# Altium PCB FluidGuard(RX).PcbDoc (part 2 of 3) (continued)
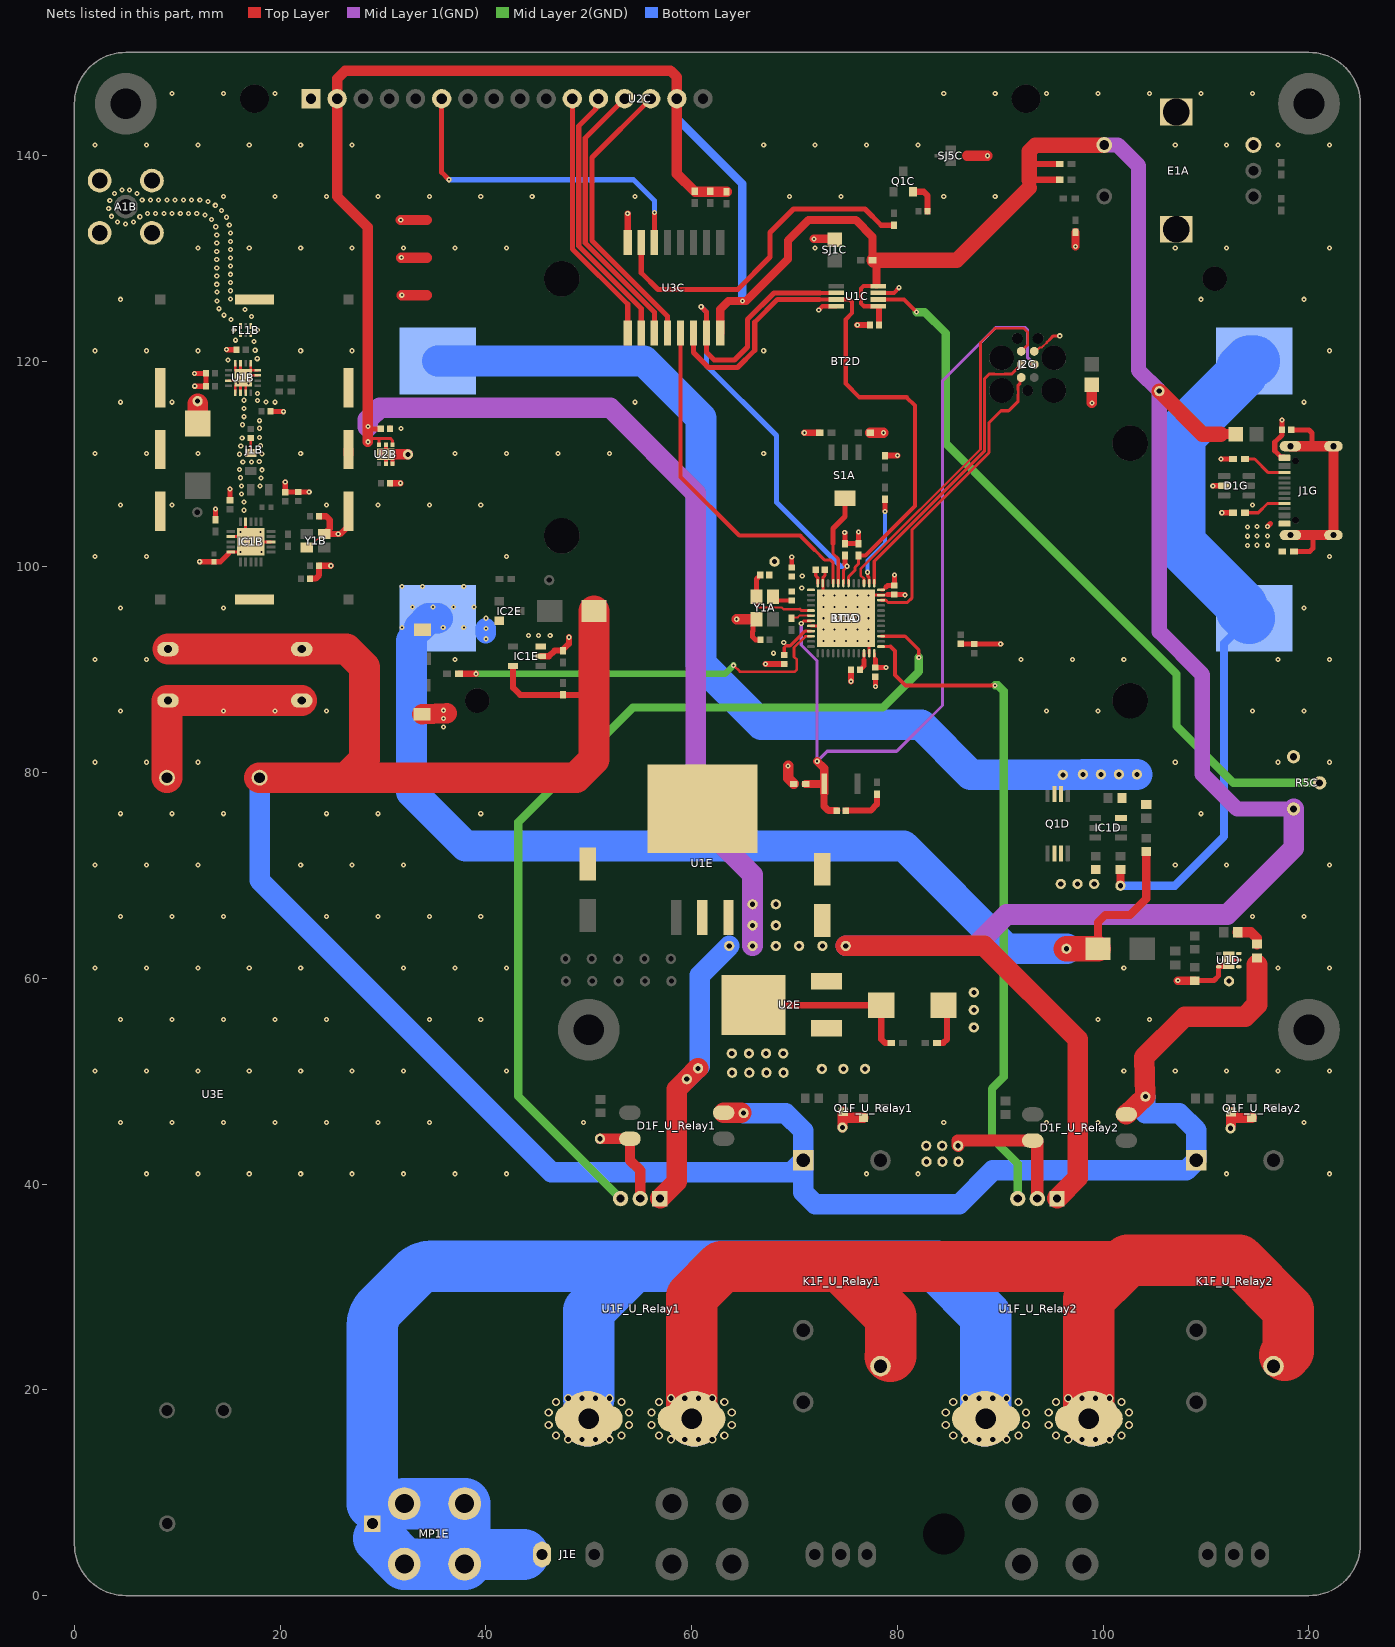
[diagram p4: the nets of this part, all layers, seen from the top]
## Part data (continued)
R4D: library part RMCF0603FG160K, "RES 160K OHM 1% 1/10W 0603", Device Package="0603 (1608 Metric)", Manufacturer="Stackpole Electronics Inc", Operating Temperature="-55°C ~ 155°C", Power (Watts)="0.1W, 1/10W", Ratings=AEC-Q200, Supplier Device Package=0603, Supplier Part Number 1=738-RMCF0603FG160KCT-ND, Temperature Coefficient=±100ppm/°C, Tolerance=±1%, ComponentLink1Description=Datasheet, ComponentLink1URL=https://www.seielect.com/catalog/sei-rmcf_rmcp.pdf, ComponentLink2Description="DigiKey Link", ComponentLink2URL=https://www.digikey.com/en/products/detail/stackpole-electronics-inc/RMCF0603FG160K/1713653, Composition="Thick Film", Features="Automotive AEC-Q200", Height - Seated (Max)="0.022\" (0.55mm)", id=2352, LastUpdated=2023-01-02T20:30:07.700, Lifecycle Status=Active, Minimum Order=1, Number Of Terminations=2, Package / Case="0603 (1608 Metric)", Packaging=CutTape, Part Number=RMCF0603FG160K, Part Status=Active, PartId=9704, Price=0.01, Resistance="160 kOhms", Series=RMCF, Size / Dimension="0.061\" L x 0.031\" W (1.55mm x 0.80mm)", Supplier 1=DigiKey
R4E: library part CMP-26528-000004-1, "RES 10 OHM 5% 4W AXIAL", Case/Package=Axial, Max Operating Temperature=350°C, Max Power Dissipation=4W, Min Operating Temperature=-55°C, Package Quantity=1, Resistance=10R, Resistor Type=Wirewound, Temperature Coefficient=20ppm/°C, Tolerance=5%, Diameter=5.5mm, Length=12.7mm, Mount="Through Hole", Number Of Terminations=2, Packaging="Cut Tape", Power Rating=4W, RoHS Compliant=Yes, Series=SP
R4F_U_Relay1 R4F_U_Relay2: library part CPF0603B10KE, "RES SMD 10K OHM 0.1% 1/16W 0603", Device Package="0603 (1608 Metric)", Manufacturer="TE Connectivity Passive Product", Operating Temperature="-55°C ~ 155°C", Power (Watts)="0.063W, 1/16W", Supplier Device Package=0603, Supplier Part Number 1=A119886CT-ND, Temperature Coefficient=±25ppm/°C, Tolerance=±0.1%, ComponentLink1Description=Datasheet, ComponentLink1URL=https://www.te.com/commerce/DocumentDelivery/DDEController?Action=srchrtrv&DocNm=1773200&DocType=DS&DocLang=English, ComponentLink2Description="DigiKey Link", ComponentLink2URL=https://www.digikey.com/en/products/detail/te-connectivity-passive-product/CPF0603B10KE/2389826, Composition="Thin Film", Height - Seated (Max)="0.022\" (0.55mm)", id=14, LastUpdated=2023-01-02T20:30:26.913, Lifecycle Status=Active, Minimum Order=1, Number Of Terminations=2, Package / Case="0603 (1608 Metric)", Packaging=TapeAndReel, Part Number=CPF0603B10KE, Part Status=Active, PartId=4872, Price=0.09, Resistance="10 kOhms", Series="CPF, Neohm", Size / Dimension="0.061\" L x 0.031\" W (1.55mm x 0.80mm)", Supplier 1=DigiKey
R5C: library part 3299P-1-103LF, "TRIMMER 10K OHM 0.5W PC PIN SIDE", Manufacturer="Bourns Inc.", Power (Watts)="0.5W, 1/2W", Resistive Material=Cermet, Supplier Part Number 1=3299P-103LF-ND, Temperature Coefficient=±100ppm/°C, Tolerance=±10%, Adjustment Type="Side Adjustment", ComponentLink1Description=Datasheet, ComponentLink1URL=https://www.bourns.com/docs/Product-Datasheets/3299.pdf, ComponentLink2Description="DigiKey Link", ComponentLink2URL=https://www.digikey.com/en/products/detail/bourns-inc/3299P-1-103LF/1088121, id=276, LastUpdated=2023-01-02T21:13:50.730, Lifecycle Status=Active, Minimum Order=1, Mounting Type="Through Hole", Number Of Turns=25, Packaging=Tube, Part Number=3299P-1-103LF, Part Status=Active, PartId=276, Price=1.61, Resistance="10 kOhms", Series="Trimpot® 3299 - Sealed", Size / Dimension="Rectangular - 0.240\" x 0.375\" Face (6.10mm x 9.53mm)", Supplier 1=DigiKey, Termination Style="PC Pins"
R5D: library part RT0603BRD072KL, "RES SMD 2K OHM 0.1% 1/10W 0603", Device Package="0603 (1608 Metric)", Manufacturer=Yageo, Operating Temperature="-55°C ~ 155°C", Power (Watts)="0.1W, 1/10W", Supplier Device Package=0603, Supplier Part Number 1=YAG1626CT-ND, Temperature Coefficient=±25ppm/°C, Tolerance=±0.1%, ComponentLink1Description=Datasheet, ComponentLink1URL=https://www.yageo.com/upload/media/product/productsearch/datasheet/rchip/PYu-RT_1-to-0.01_RoHS_L_11.pdf, ComponentLink2Description="DigiKey Link", ComponentLink2URL=https://www.digikey.com/en/products/detail/yageo/RT0603BRD072KL/1072444, Composition="Thin Film", Height - Seated (Max)="0.022\" (0.55mm)", id=366, LastUpdated=2023-01-02T20:30:23.983, Lifecycle Status=Active, Minimum Order=1, Number Of Terminations=2, Package / Case="0603 (1608 Metric)", Packaging=TapeAndReel, Part Number=RT0603BRD072KL, Part Status=Active, PartId=5635, Price=0.03, Resistance="2 kOhms", Series=RT, Size / Dimension="0.063\" L x 0.031\" W (1.60mm x 0.80mm)", Supplier 1=DigiKey
R6A: library part AC0402JR-070RL, "RES SMD 0 OHM JUMPER 1/16W 0402", Device Package="0402 (1005 Metric)", Manufacturer=Yageo, Operating Temperature="-55°C ~ 155°C", Power (Watts)="0.063W, 1/16W", Ratings=AEC-Q200, Supplier Device Package=0402, Supplier Part Number 1=311-0.0LBCT-ND, Tolerance=Jumper, ComponentLink1Description=Datasheet, ComponentLink1URL=https://www.yageo.com/upload/media/product/productsearch/datasheet/rchip/PYu-AC_51_RoHS_L_7.pdf, ComponentLink2Description="DigiKey Link", ComponentLink2URL=https://www.digikey.com/en/products/detail/yageo/AC0402JR-070RL/2827807, Composition="Thick Film", Features="Automotive AEC-Q200, Moisture Resistant", Height - Seated (Max)="0.015\" (0.37mm)", id=9339, LastUpdated=2023-01-02T20:20:32.243, Lifecycle Status=Active, Minimum Order=1, Number Of Terminations=2, Package / Case="0402 (1005 Metric)", Packaging=CutTape, Part Number=AC0402JR-070RL, Part Status=Active, PartId=20617, Price=0.01, Resistance="0 Ohms", Series=AC, Size / Dimension="0.039\" L x 0.020\" W (1.00mm x 0.50mm)", Supplier 1=DigiKey
R6C: library part AC0402DR-071KL, "RES 1K OHM 0.5% 1/16W 0402", Device Package="0402 (1005 Metric)", Manufacturer=Yageo, Operating Temperature="-55°C ~ 155°C", Power (Watts)="0.063W, 1/16W", Ratings=AEC-Q200, Supplier Device Package=0402, Supplier Part Number 1=13-AC0402DR-071KLCT-ND, Temperature Coefficient=±100ppm/°C, Tolerance=±0.5%, ComponentLink1Description=Datasheet, ComponentLink1URL=https://www.yageo.com/upload/media/product/productsearch/datasheet/rchip/PYu-AC_51_RoHS_L_9.pdf, ComponentLink2Description="DigiKey Link", ComponentLink2URL=https://www.digikey.com/en/products/detail/yageo/AC0402DR-071KL/16990461, Composition="Thick Film", Features="Automotive AEC-Q200, Moisture Resistant", Height - Seated (Max)="0.015\" (0.37mm)", id=14909, LastUpdated=2023-09-02T19:18:23.727, Lifecycle Status=Active, Minimum Order=1, Number Of Terminations=2, Package / Case="0402 (1005 Metric)", Packaging=TapeAndReel, Part Number=AC0402DR-071KL, PartId=81039, Price=0.01, Resistance="1 kOhms", Series=AC, Size / Dimension="0.039\" L x 0.020\" W (1.00mm x 0.50mm)", Supplier 1=DigiKey
R6D: library part ERA-8AEB204V, "RES SMD 200K OHM 0.1% 1/4W 1206", Device Package="1206 (3216 Metric)", Manufacturer="Panasonic Electronic Components", Operating Temperature="-55°C ~ 155°C", Power (Watts)="0.25W, 1/4W", Ratings=AEC-Q200, Supplier Device Package=1206, Supplier Part Number 1=P200KBCCT-ND, Temperature Coefficient=±25ppm/°C, Tolerance=±0.1%, ComponentLink1Description=Datasheet, ComponentLink1URL=https://industrial.panasonic.com/cdbs/www-data/pdf/RDM0000/AOA0000C307.pdf, ComponentLink2Description="DigiKey Link", ComponentLink2URL=https://www.digikey.com/en/products/detail/panasonic-electronic-components/ERA-8AEB204V/3070868, Composition="Thin Film", Features="Automotive AEC-Q200", Height - Seated (Max)="0.028\" (0.70mm)", id=4000, LastUpdated=2023-01-02T20:37:01.767, Lifecycle Status=Active, Minimum Order=1, Number Of Terminations=2, Package / Case="1206 (3216 Metric)", Packaging=TapeAndReel, Part Number=ERA-8AEB204V, Part Status=Active, PartId=33994, Price=0.12, Resistance="200 kOhms", Series=ERA-8A, Size / Dimension="0.126\" L x 0.063\" W (3.20mm x 1.60mm)", Supplier 1=DigiKey
R7D: library part RT1206BRD07100KL, "RES SMD 100K OHM 0.1% 1/4W 1206", Device Package="1206 (3216 Metric)", Manufacturer=Yageo, Operating Temperature="-55°C ~ 155°C", Power (Watts)="0.25W, 1/4W", Supplier Device Package=1206, Supplier Part Number 1=YAG2003CT-ND, Temperature Coefficient=±25ppm/°C, Tolerance=±0.1%, ComponentLink1Description=Datasheet, ComponentLink1URL=https://www.yageo.com/upload/media/product/productsearch/datasheet/rchip/PYu-RT_1-to-0.01_RoHS_L_11.pdf, ComponentLink2Description="DigiKey Link", ComponentLink2URL=https://www.digikey.com/en/products/detail/yageo/RT1206BRD07100KL/1079461, Composition="Thin Film", Height - Seated (Max)="0.026\" (0.65mm)", id=6936, LastUpdated=2023-01-02T20:36:33.687, Lifecycle Status=Active, Minimum Order=1, Number Of Terminations=2, Package / Case="1206 (3216 Metric)", Packaging=TapeAndReel, Part Number=RT1206BRD07100KL, Part Status=Active, PartId=39875, Price=0.10, Resistance="100 kOhms", Series=RT, Size / Dimension="0.122\" L x 0.063\" W (3.10mm x 1.60mm)", Supplier 1=DigiKey
S1A: "SWITCH ROTARY DIP SP3T 100MA 16V", Current Rating (Amps)=100mA, Manufacturer="Nidec Copal Electronics", Operating Temperature="-25°C ~ 70°C", Supplier Part Number 1=563-1035-1-ND, Actuator Level="Flush, Recessed", Actuator Type="Rotary for Tool", Circuit=SP3T, ComponentLink1Description=Datasheet, ComponentLink1URL=https://www.nidec-copal-electronics.com/e/catalog/switch/cs-4.pdf, ComponentLink2Description="DigiKey Link", ComponentLink2URL=https://www.digikey.com/en/products/detail/nidec-copal-electronics/CS-4-13NTA/948346, Contact Finish=Gold, Contact Material="Copper Alloy", Height Above Board="0.091\" (2.30mm)", id=6, LastUpdated=2022-09-26T03:19:43.077, Lifecycle Status=Active, Minimum Order=1, Mounting Type="Surface Mount", Number Of Positions=3, Packaging=TapeAndReel, Part Number=CS-4-13NTA, Part Status=Active, PartId=13, Pitch="0.051\" (1.30mm)", Price=0.93, Series=CS-4, Supplier 1=DigiKey, Termination Style="J Lead", Washable=Yes
S2A: "3.0MM X 2.0MM / 3.3N / 0.15MM ST", Contact Rating @ Voltage="0.02A @ 15VDC", Manufacturer="Panasonic Electronic Components", Operating Force=330gf, Operating Temperature="-40°C ~ 85°C", Supplier Part Number 1=P123440CT-ND, Actuator Height Off Pcb, Vertical=0.60mm, Actuator Orientation="Top Actuated", Actuator Type=Standard, Circuit=SPST-NO, ComponentLink1Description=Datasheet, ComponentLink1URL=https://industrial.panasonic.com/ac/cdn/e/control/switch/light-touch/catalog/sw_lt_eng_3020s.pdf, ComponentLink2Description="DigiKey Link", ComponentLink2URL=https://www.digikey.com/en/products/detail/panasonic-electronic-components/EVP-AWED4A/8568275, id=5, Illumination=Non-Illuminated, Ingress Protection="IP67 - Dust Tight, Waterproof", LastUpdated=2023-01-02T21:07:29.980, Lifecycle Status=Active, Minimum Order=1, Mounting Type="Surface Mount", Outline="3.00mm x 2.00mm", Packaging=TapeAndReel, Part Number=EVP-AWED4A, Part Status=Active, Price=0.16, Series=EVPAW, Supplier 1=DigiKey, Switch Function=Off-Mom, Termination Style="SMD (SMT) Tab"
SJ1C: library part "Regtangular Jumper Joint"
SJ1G SJ2G: library part "Regtangular Jumper"
SJ2C SJ3C SJ4C: library part "Rounded Jumper"
SJ5C: library part "Rounded Jumper Joint 3-pin"
U1A: library part CMP-0243-00165-1, "ARM Cortex-M4 32-bit MCU+FPU, 512 KB Flash, 128 KB RAM, 36 I/Os, 48-Pin UFQFPN, -40 to 85 degC, Tray", I/Os (High Current)=36, Operating Frequency(F) (Processor speed) (MHz)=100, Package Description=UFQFPN48, Package Reference="48-Pin Ultra Thin Fine Pitch Quad Flat No-Lead, 7 x 7 x 0.6 mm Body, 0.5 mm Pitch, Exposed Pad", Supply Voltage(Vcc) min (V)=1.7, ComponentLink1Description="Manufacturer URL", ComponentLink1URL=http://www.st.com/, ComponentLink2Description=Datasheet, ComponentLink2URL=http://www.st.com/st-web-ui/static/active/en/resource/technical/document/datasheet/DM00115249.pdf, Core="ARM Cortex-M4", DatasheetVersion="Rev. 6", FLASH Size (Prog) (kB)=512, Internal RAM Size (kB)=128, Mounting Technology="Surface Mount", Packing=Tray
U1B: library part CMP-85923-000010-1, "IC FRONT END WLAN/ZIGBEE 16QFN", Case/Package=QFN, Frequency=2.5GHz, Packaging="Cut Tape", RoHS Compliant=Yes, Series=-
U1C: "No Description Available", Mfr_Name=Microchip, Supplier Part Number 1=579-MCP4561-103E/MS, RefDes=RefDes, Supplier 1=Mouser, Type=Type
U1D: library part CMP-04917-000172-1, "IC REG LINEAR POS ADJ 1A 6WSON"
U1E: library part CMP-1685-00014-2, "IC REG LIN 5V 1.5A DDPAK/TO263-3", Case/Package=TO-263, Dropout Voltage=2V, Max Input Voltage=25V, Max Operating Temperature=125°C, Max Output Current=1.5A, Max Output Voltage=5.2V, Min Input Voltage=7V, Min Operating Temperature=0°C, Min Output Voltage=4.8V, Nominal Output Voltage=5V, Package Quantity=1, Power Rating=15W, Power Supply Rejection Ratio (PSRR)=78dB, Quiescent Current=8mA, Contact Plating=Tin, Height=4.83mm, Lead Free="Lead Free", Length=10.67mm, Mount="Surface Mount", Number Of Outputs=1, Number of Pins=3, Number of Regulators=1, Output Current=1.5A, Output Type=Fixed, Output Voltage=5V, Packaging="Tape and Reel", Polarity=Positive, Radiation Hardening=No, REACH SVHC="No SVHC", Weight=0.050897oz, Width=9.65mm
U1F_U_Relay1 U1F_U_Relay2: library part CMP-82923-000004-3, "SENSOR CURRENT HALL 50A AC/DC", Current Sensing=50A, Frequency=120kHz, Max Input Voltage=5.5V, Max Operating Temperature=150°C, Max Supply Current=15mA, Min Input Voltage=4.5V, Min Operating Temperature=-40°C, Package Quantity=34, Accuracy=0.6%, Height=7mm, Length=14mm, Linearity=1%, Mount="Through Hole", Number of Channels=1, Number of Pins=5, Packaging=Rail/Tube, Polarity=Bidirectional, Response Time=4.6us, RoHS Compliant=Yes, Sensitivity=40mV/A, Width=13mm
U2B: library part CMP-07128-000006-2, "IC REG LINEAR 3.3V 500MA 6WDFN", Dropout Voltage=230mV, Max Input Voltage=5.5V, Max Operating Temperature=125°C, Max Output Current=500mA, Min Current Limit=510mA, Min Input Voltage=2.5V, Min Operating Temperature=-40°C, Output Voltage=3.3V, Package Quantity=3000, Quiescent Current=25uA, Accuracy=2%, Lead Free="Lead Free", Mount="Surface Mount", Number Of Outputs=1, Number of Pins=6, Number of Regulators=1, Output Current=500mA, Output Type=Fixed, Packaging="Tape and Reel", Polarity=Positive, Radiation Hardening=No
U2C: "Display Development Tools 16x2 Black on Green Char LCD w Backlight", Package=None, Availability="Not in stock", Check_prices=https://www.snapeda.com/parts/LCD-16X2/Gravitech/view-part/?ref=eda, MF=Gravitech, MP=LCD-16X2, Price=None, SnapEDA_Link=https://www.snapeda.com/parts/LCD-16X2/Gravitech/view-part/?ref=snap
U2E: library part CMP-07128-000023-2, "IC REG LINEAR 3.3V 1A DPAK", Case/Package=DPAK, Dropout Voltage=1.07V, Input Bias Current=6mA, Max Input Voltage=20V, Max Operating Temperature=125°C, Max Output Current=1A, Min Operating Temperature=0°C, Nominal Output Voltage=3.3V, Output Voltage Accuracy=1%, Package Quantity=1, Quiescent Current=10mA, Reference Voltage=1.27V, Accuracy=1%, Contact Plating=Tin, Halogen Free="Halogen Free", Height=2.38mm, Lead Free="Lead Free", Length=6.73mm, Min Current Limit=1A, Mount="Surface Mount", Number Of Outputs=1, Number of Pins=3, Number of Regulators=1, Output Current=1A, Output Type=Fixed, Output Voltage=3.3V, Packaging="Tape and Reel", Polarity=Positive, Radiation Hardening=No, REACH SVHC="No SVHC", Width=6.22mm
U3C: library part CMP-10112-000003-1, "IC I/O EXPANDER I2C 8B 16SOIC", Ambient Temperature Range High=+85°C, Ambient Temperature Range Low=-40°C, Frequency=100kHz, Manufacturer="NXP Semiconductors", Max Junction Temp=+125°C, Max Supply Voltage=6V, Min Supply Voltage=2.5V, Nominal Supply Current=40uA, Package=SOT162-1, Temperature="-40°C to +85°C", Automotive=No, Category=IC, ComponentLink2Description=Datasheet, ComponentLink2URL=https://www.nxp.com/docs/en/data-sheet/PCF8574_PCF8574A.pdf, Device Class L1="Integrated Circuits (ICs)", Device Class L2="Interface ICs", Device Class L3="I/O Expanders", Digikey Description="IC I/O EXPANDER I2C 8B 16SOIC", Footprint Url=https://www.nxp.com/docs/en/package-information/SOT162-1.pdf, Height=2.65mm, Interface=I2C,SMBus, Ipc Land Pattern Name=SOIC127P1032X265-16, Lead Free=Yes, Manufacturer Part Number=PCF8574AT/3,518, Mouser Description="PCF8574 Series 2.5 to 6V Remote 8-bit I/O Expander for I2C-bus -SOIC-16", Number of I/Os=8, Octopart=https://octopart.com/pcf8574at%2F3%2C518-nxp+semiconductors-11541925, RoHS=TRUE, Standoff Height=0.1mm, Temperature Range High=+85°C, Temperature Range Low=-40°C
U3E: "No Description Available", Mfr_Name="Mean Well", Supplier Part Number 1=9051654, RefDes=RefDes, Supplier 1="Future Electronics", Type=Type
Y1A: library part "TSX-3225 24.0000MF15X-AC3", "CRYSTAL 24.0000MHZ 9PF SMD", Esr (Equivalent Series Resistance)="40 Ohms", Frequency Stability=±15ppm, Frequency Tolerance=±10ppm, Load Capacitance=9pF, Manufacturer=EPSON, Operating Mode=Fundamental, Operating Temperature="-40°C ~ 85°C", Package / Case="4-SMD, No Lead", Supplier Part Number 1=SER3635CT-ND, ComponentLink1Description=Datasheet, ComponentLink1URL=https://support.epson.biz/td/api/doc_check.php?dl=brief_TSX-3225&lang=en, ComponentLink2Description="DigiKey Link", ComponentLink2URL=https://www.digikey.com/en/products/detail/epson/TSX-3225-24-0000MF15X-AC3/1825444, Frequency="24 MHz", Height - Seated (Max)="0.024\" (0.60mm)", id=441, LastUpdated=2023-01-02T20:58:19.840, Lifecycle Status=Active, Minimum Order=1, Mounting Type="Surface Mount", Packaging=TapeAndReel, Part Number="TSX-3225 24.0000MF15X-AC3", Part Status=Active, PartId=441, Price=0.44, Series=TSX-3225, Size / Dimension="0.126\" L x 0.098\" W (3.20mm x 2.50mm)", Supplier 1=DigiKey, Type="MHz Crystal"
Y1B: library part NX2520SA-16MHZ-EXS00A-CS05116, "CRYSTAL 16.0000MHZ 12PF SMD", Esr (Equivalent Series Resistance)="80 Ohms", Frequency Stability=±15ppm, Load Capacitance=12pF, Manufacturer="NDK America, Inc.", Operating Mode=Fundamental, Operating Temperature="-10°C ~ 75°C", Package / Case="4-SMD, No Lead", Supplier Part Number 1=644-1200-1-ND, ComponentLink1Description=Datasheet, ComponentLink1URL=//media.digikey.com/pdf/Data%20Sheets/NDK%20PDFs/NX2520SA-16MHZ-EXS00A-CS05116.pdf, ComponentLink2Description="DigiKey Link", ComponentLink2URL=https://www.digikey.com/en/products/detail/ndk-america-inc/NX2520SA-16MHZ-EXS00A-CS05116/3894065, Frequency="16 MHz", Frequency Tolerance=±15ppm, Height - Seated (Max)="0.022\" (0.55mm)", id=522, LastUpdated=2023-01-02T20:58:22.490, Lifecycle Status=Active, Minimum Order=1, Mounting Type="Surface Mount", Packaging=TapeAndReel, Part Number=NX2520SA-16MHZ-EXS00A-CS05116, Part Status=Active, PartId=522, Price=0.74, Series=NX2520SA, Size / Dimension="0.098\" L x 0.079\" W (2.50mm x 2.00mm)", Supplier 1=DigiKey, Type="MHz Crystal"

## Free pads (board coordinates)
  round 1 hole 0.5: 4(68.05,100.5) 5(46.15,98.7) 6(47.725,61.9) 6(47.775,59.725) 7(52.85,61.9) 7(52.9,59.725) 8(57.975,61.9) 8(58.025,59.725) 10(63.9,52.7) 10(63.933,50.825) 11(65.567,52.7) 11(65.6,50.825) 12(67.233,52.7) 12(67.267,50.825) 13(68.9,52.7) 13(68.933,50.825) 14(63.65,63.15) 15(65.915,63.15) 16(68.18,63.15) 17(70.445,63.15) 18(72.71,63.15) 19(74.975,63.15) 20(65.915,67.2) 20(68.18,67.2) 21(65.915,65.15) 21(68.18,65.15) 22(55.412,61.9) 22(55.463,59.725) 23(50.287,61.9) 23(50.338,59.725) 24(65.05,46.9) 25(104.1,48.5) 27(51.08,44.405) 28(74.65,45.5) 29(112.375,45.425) 30(72.65,51.2) 31(74.75,51.2) 32(76.85,51.2) 33(87.425,58.625) 34(87.425,56.925) 35(87.425,55.225) 39(82.8,43.725) 39(82.825,42.175) 40(84.35,43.725) 40(84.375,42.175) 41(85.9,43.725) 41(85.925,42.175) 44(59.525,50.2) 45(60.625,51.25) 46(96.075,79.775) 47(98.025,79.825) 48(99.775,79.825) 49(101.525,79.825) 50(103.275,79.825) 52(112.225,59.725) 53(96.425,62.875) 54(101.675,69) 55(95.875,69.175) 56(97.5,69.175) 57(99.125,69.175) 58(11.975,116.1) 59(11.95,105.3) 60(32.425,110.925) 62(105.45,117.075)
  round 6 hole 3: MH(5,145) MH(50,55) MH(120,55) MH(120,145)
  round 0 hole 4 unplated: MH(84.5,6)

## Via types
v1: diameter 0.5, hole 0.2, Top Layer to Bottom Layer, 618 vias
v2: diameter 0.8, hole 0.5, Top Layer to Bottom Layer, 64 vias

## Nets (pads, with @x,y where several pads share a name; then routed paths per layer and width w, separated by ;. In a path a pad name is that pad's centre, name@x,y a point inside that pad or via, vN(x,y) a via of type N, cw(c..) or ccw(c..) an arc to the next point about the centre after c; other vN are vias at no path point)
+3V3: C3E.1 C5A.2 C6A.2 C7A.2 C8A.2 C9A.2 C10A.2 D2E.1 IC1E.3 pad.10 pad.11 pad.12 pad.13 R1A.2 R2A.2 R3A.2 R16A.1 SJ2G.2 U1A.1 U1A.9 U1A.24 U1A.36 U1A.48 U2E.4 | length 35.7
  Top Layer w0.3: C8A.2@69,91.44 69,92.149 69.176,92.325 69.575,92.325 71,93.75 U1A.9@71.6,93.75 ; C7A.2@72.06,99.7 72.06,99.14 72.25,98.95 U1A.48@72.25,98.4 ; U1A.24@77.775,91.575 77.775,91.1 77.875,91 ; U1A.36@78.4,97.75 78.625,97.75 78.9,98.025
  Top Layer w0.5: v1(74.875,103.325) 74.9,103.3 R2A.2@74.9,102.25 R1A.2@76.2,102.25 v1(76.2,103.375) ; 77.875,91 77.875,90.223 C10A.2@77.852,90.2 v1(78.9,90.2) ; 78.9,98.025 79.055,98.18 C9A.2@79.7,98.18 v1(79.7,99.2)
  Top Layer w0.6: U2E.4@66.01,57.415 66.05,57.375 C3E.1@78.425,57.375 78.425,54.076 78.776,53.725 D2E.1@79.4,53.725
  Top Layer w1: v1(69.375,80.65) 69.375,79.45 R16A.1@69.925,78.9 ; R3A.2@77.35,113.03 v1(78.645,113.03) ; v1(98.9,115.925) SJ2G.2@98.9,117.7
  other v1: 67.95,91.6 68.95,92.65 44.15,93.325 45.1,93.325 46.25,93.325 70.7,97.95 70.75,99.1
+5V: C1C.2 C1E.1 C14B.2 E1A.2 pad.14 pad.15 pad.16 pad.17 pad.18 pad.19 pad.20 pad.21 pad.44 pad.45 pad.62 R1C.2 R2C.2 R3C.2 R4C.2 R5C.1 R10A.2 R11A.2 SJ1G.2 U1C.5 U1C.8 U1E.3 U1F_U_Relay1.1 U1F_U_Relay2.1 U2B.4 U2B.6 U2C.2 U2C.15 U2E.3 U3C.16 | length 471.4
  Top Layer w0.3: v1(28.525,112.15) 28.579,112.15 28.879,112.45 29.591,112.45 ; U2B.6@29.625,111.85 29.625,112.416 29.591,112.45 ; U2B.4@30.925,111.85 30.925,112.274 30.749,112.45 29.591,112.45
  Top Layer w0.4: U1C.8@77.966,127.275 76.709,127.275 76.475,127.041 76.475,125.6 76.75,125.325 U1C.5@78.145,125.325
  Top Layer w0.5: v1(28.525,113.625) 28.75,113.4 C14B.2@29.785,113.4
  Top Layer w0.6: C1C.2@78.215,123.5 U1C.5@78.215,125.246 ; 92.825,137.55 92.9,137.625 R10A.2@95.775,137.625 ; 92.825,139.175 92.85,139.15 R11A.2@95.775,139.15 ; E1A.2@100.087,140.988 E1A.2@100.1,141
  Top Layer w0.8: U3C.16@62.77,122.725 62.77,125.03 63.565,125.825 v1(64.925,125.825) 65.3,125.825 69.375,129.9 69.375,131.725 71.35,133.7 75.95,133.7 77.575,132.075 R1C.2@77.575,129.8 ; U1C.8@77.966,127.454 77.966,129.409
  Top Layer w1: v1(28.525,112.15) v1(28.525,113.625) 28.525,133 25.54,135.985 U2C.2@25.54,145.5 25.54,147.44 26.325,148.225 57.95,148.225 58.56,147.615 U2C.15@58.56,145.5 58.56,138.215 60.325,136.45 R2C.2@63.4,136.45 ; 92.825,136.85 92.825,137.55 ; 111.425,112.9 SJ1G.2@112.9,112.9
  Top Layer w1.5: R1C.2@77.75,129.8 85.775,129.8 92.825,136.85 ; 92.825,137.55 92.825,139.175 92.825,140.402 93.411,140.988 E1A.2@100.087,140.988 ; pad.62@105.45,117.075 109.625,112.9 111.425,112.9
  Top Layer w2: U1F_U_Relay1.1@56.95,38.63 58.55,40.23 58.55,49.225 pad.44@59.525,50.2 60.575,51.25 pad.45@60.625,51.25 ; pad.19@74.975,63.15 88.45,63.15 97.525,54.075 97.525,40.605 U1F_U_Relay2.1@95.55,38.63
  Mid Layer 1(GND) w1.5: E1A.2@100.1,141 101.414,141 103.432,138.982 103.432,119.093 pad.62@105.45,117.075 105.45,93.7 109.625,89.525 109.625,79.85 113.015,76.46 R5C.1@118.5,76.46
  Mid Layer 1(GND) w2: v1(28.525,113.625) 28.525,114.278 29.697,115.45 52.075,115.45 60.4,107.125 60.4,75.575 65.915,70.06 pad.20@65.915,67.2 pad.21@65.915,65.15 pad.15@65.915,63.15 ; pad.19@74.975,63.15 87.575,63.15 90.625,66.2 112.05,66.2 118.5,72.65 R5C.1@118.5,76.46
  Bottom Layer w0.8: U2C.15@58.56,145.5 58.56,143.59 64.925,137.225 v1(64.925,125.825)
  Bottom Layer w2: pad.44@59.525,50.2 60.775,51.45 60.775,60.275 pad.14@63.65,63.15
+12V: C3D.2 C4E.1 C5E.1 D1E.1 D1F_U_Relay1.4 D1F_U_Relay2.4 IC1E.5 K1F_U_Relay1.1 K1F_U_Relay2.1 pad.24 pad.25 R1E.2 U1D.4 U1D.6 U3E.3 | length 252.4
  Top Layer w0.6: IC1E.5@42.642,90.35 42.642,88.233 43.325,87.55 R1E.2@47.492,87.55 50.477,87.55 50.502,87.525
  Top Layer w2: D1F_U_Relay1.4@63.1,46.945 63.12,46.925 pad.24@64.825,46.925 ; D1F_U_Relay2.4@102.25,46.77 pad.25@104.1,48.5 103.97,52.32 107.925,56.275 113.778,56.275 114.95,57.447 114.95,61.3
  Top Layer w3: C4E.1@9.1,92 26.443,92 28.2,90.243 28.2,81.257 26.443,79.5 ; U3E.3@18,79.5 26.443,79.5 ; D1E.1@50.502,95.7 50.502,87.525 50.502,81.257 48.744,79.5 26.443,79.5
  Bottom Layer w2: U3E.3@18,79.5 18,69.525 46.375,41.15 69.7,41.15 K1F_U_Relay1.1@70.85,42.3 ; pad.24@65.05,46.9 69.125,46.9 70.85,45.175 K1F_U_Relay1.1@70.85,42.3 ; pad.25@104.1,48.5 104.1,46.9 107.4,46.9 109.05,45.25 K1F_U_Relay2.1@109.05,42.3 108.075,41.325 89.275,41.325 86,38.05 72.022,38.05 70.85,39.222 K1F_U_Relay1.1@70.85,42.3
BAT: BT1D.2 D1D.2 IC2E.2 pad.53 R2D.1 R6D.2 | length 103.2
  Top Layer w0.8: D1D.2@99.5,62.875 99.5,65.45 100.2,66.15 102.6,66.15 104.175,67.725 R2D.1@104.175,72.325
  Top Layer w2.5: pad.53@96.425,62.875 D1D.2@99.5,62.875
  Bottom Layer w2: 40,93.525 v1(40,94)
  Bottom Layer w3: BT1D.2@32.775,92.85 32.775,78.1 38.025,72.85 80.618,72.85 90.593,62.875 pad.53@96.425,62.875 ; BT1D.2@33.53,94.1 34.43,95 BT1D.2@35.312,95
  other v1: 40,93 31.85,94.1 35.85,94.1 37.85,94.1 40,95 32.85,96.1 34.85,96.1 36.85,96.1 38.85,96.1 31.85,98.1 33.85,98.1 37.85,98.1
BAT_MR: R8A.1 U1A.10 | length 37.9
  Top Layer w0.254: v1(64.075,90.425) 64.7,89.8 70.025,89.8 70.225,90 70.225,90.969 69.948,91.246 69.948,92.148 71.048,93.248 71.598,93.248 U1A.10@71.6,93.25
  Top Layer w0.6: R8A.1@37.375,89.6 v1(39.025,89.6)
  Mid Layer 2(GND) w0.6: v1(39.025,89.6) 63.25,89.6 v1(64.075,90.425)
BCOM: BT2D.1 C4D.1 C5D.1 IC1D.6 pad.46 pad.47 pad.48 pad.49 pad.50 Q1D.2 Q1D.3 | length 98.6
  Bottom Layer w3: BT2D.1@35.312,120 55.375,120 60.9,114.475 60.9,90.55 66.8,84.65 82.275,84.65 87.1,79.825 pad.46@96.075,79.775 pad.47@98.025,79.825 pad.48@99.775,79.825 pad.49@101.525,79.825 pad.50@103.275,79.825
BOOT_SELECT: S1A.C U1A.44 | length 9
  Top Layer w0.3: 73.725,102.25 73.725,101.3 74.25,100.775 U1A.44@74.25,98.4
  Top Layer w0.5: 73.725,102.25 73.725,103.725 74.9,104.9 S1A.C@74.9,106.65
BVC: BT1D.1 BT2D.2 pad.54 R3D.1 | length 67
  Top Layer w0.8: pad.54@101.675,69 R3D.1@101.675,70.575
  Bottom Layer w0.8: pad.54@101.675,69 106.975,69 111.75,73.775 111.75,92.558 BT1D.1@114.192,95
  Bottom Layer w5: BT1D.1@114.192,95 113.454,95.739 113.454,96.234 107.425,102.263 107.425,112.737 113.454,118.766 113.454,119.261 114.192,120 BT2D.2@114.687,120
CC1: J1G.A5 R1G.2 | length 4.2
  Top Layer w0.3: R1G.2@113.775,105.25 115.075,105.25 115.975,106.15 J1G.A5@117.622,106.15
CC2: J1G.B5 R2G.2 | length 4.4
  Top Layer w0.3: R2G.2@113.775,110.485 114.715,110.485 116.05,109.15 J1G.B5@117.622,109.15
DB4: U2C.11 U3C.9 | length 25
  Top Layer w0.5: U2C.11@48.4,145.5 48.4,130.9 53.78,125.52 U3C.9@53.78,122.725
DB5: U2C.12 U3C.10 | length 26.1
  Top Layer w0.5: U2C.12@50.94,145.5 50.676,145.236 50.676,144.501 49.025,142.85 49.025,131.175 55.1,125.1 U3C.10@55.1,122.725
DB6: U2C.13 U3C.11 | length 27.1
  Top Layer w0.5: U2C.13@53.48,145.5 49.65,141.67 49.65,131.475 56.37,124.755 U3C.11@56.37,122.725
DB7: U2C.14 U3C.12 | length 28.2
  Top Layer w0.5: U2C.14@56.02,145.5 50.3,139.78 50.3,131.7 57.64,124.36 U3C.12@57.64,122.725
ENABLE: U2C.6 U3C.6 | length 33.1
  Top Layer w0.5: U2C.6@35.7,145.5 35.7,138.35 v1(36.425,137.625) ; U3C.6@56.37,131.525 56.37,134.395 v1(56.4,134.425)
  Bottom Layer w0.5: v1(36.425,137.625) 54.35,137.625 56.4,135.575 v1(56.4,134.425)
GND: A1B.G C1A.1 C1B.1 C1C.1 C1E.2 C1G.2 C2A.1 C2B.2 C2C.1 C2D.1 C2E.2 C3A.1 C3B.1 C3D.1 C3E.2 C4A.1 C4B.2 C4E.2 C5A.1 C5E.2 C6A.1 C6B.1 C7A.1 C7B.1 C8A.1 C8B.2 C9A.1 C9B.1 C10A.1 C10B.1 C11A.1 C11B.1 C12A.1 C12B.1 C13B.1 C14B.1 C15B.1 D1F_U_Relay1.2 D1F_U_Relay2.2 D1G.2 E1A.C E1A.S FL1B.1 FL1B.3 FL1B.4 FL1B.6 IC1B.8 IC1B.14 IC1B.17 IC1B.20 IC1B.21 IC1E.2 J1B.SH J1G.A1B12 J1G.B1A12 J2G.5 pad.4 pad.27 pad.28 pad.29 pad.30 pad.31 pad.32 pad.33 pad.34 pad.35 pad.39 pad.40 pad.41 pad.52 pad.55 pad.56 pad.57 pad.58 pad.60 Q1C.2 Q1D.6 Q1D.7 Q1F_U_Relay1.2 Q1F_U_Relay2.2 R1B.1 R1G.1 R2E.1 R2G.1 R3E.1 R3G.2 R4A.1 R4D.1 R4F_U_Relay1.1 R4F_U_Relay2.1 R5A.1 R5C.3 R5D.1 R7A.1 R7D.1 R14A.1 SJ1C.1 SJ2C.1 SJ3C.1 SJ4C.1 SJ5C.2 U1A.8 U1A.23 U1A.35 U1A.47 U1A.49 U1B.1 U1B.2 U1B.3 U1B.7 U1B.8 U1B.9 U1B.11 U1B.12 U1B.15 U1B.17 U1C.4 U1C.7 U1D.3 U1D.5 U1D.7 U1E.2 U1E.4 U1F_U_Relay1.2 U1F_U_Relay2.2 U2B.2 U2B.3 U2B.5 U2B.7 U2C.1 U2E.1 U3C.8 U3E.4 Y1A.2 Y1A.4 Y1B.2 Y1B.4 | length 194.8
  Top Layer w0.15: Y1B.2@23.133,102.214 23.594,102.675 23.694,102.675 24.2,103.181 Y1B.4@24.3,103.181
  Top Layer w0.17: 94.21,121.503 94.5,121.794
  Top Layer w0.19: 94.188,121.481 94.21,121.503
  Top Layer w0.2: J2G.5@93.3,120.94 93.445,120.94 93.805,121.3 94,121.3 94.168,121.468 94.174,121.468 94.188,121.481
  Top Layer w0.25: U1B.15@14.975,118.102 U1B.17@16.15,118.102 ; U1B.1@15.65,116.927 15.65,117.602 U1B.17@16.15,118.102 ; U1B.12@15.65,119.777 15.65,119.102 U1B.17@16.15,118.602 ; U1B.2@16.15,116.927 U1B.17@16.15,118.102 ; U1B.11@16.15,119.777 U1B.17@16.15,118.602 ; U1B.3@16.65,116.927 16.65,118.102 U1B.17@16.4,118.352 ; U1B.9@17.15,119.777 U1B.17@17.15,119.102 ; U1B.7@17.825,118.602 U1B.17@16.65,118.602 ; U1B.8@17.825,119.102 U1B.17@17.15,119.102 ; 94.5,121.794 94.775,122.069 ; U1B.17@16.15,118.102 U1B.17@16.4,118.352 ; U1B.17@16.15,118.602 U1B.17@16.4,118.352 ; U1B.17@16.4,118.352 U1B.17@16.65,118.602 ; U1B.17@16.65,118.602 U1B.17@17.15,119.102
  Top Layer w0.3: IC1B.20@15.2,101.425 v1(16.15,101.425) v1(17.15,102.425) ; IC1B.17@15.2,102.925 IC1B.21@16.65,102.925 ; IC1B.14@16.65,104.375 IC1B.21@16.65,102.925 ; IC1B.8@19.1,102.425 v1(17.15,102.425) ; U1A.8@71.6,94.25 72.45,94.25 v1(72.8,93.9) ; v1(72.8,97.2) 72.75,97.25 U1A.47@72.75,98.4 72.75,98.95 72.94,99.14 C7A.1@72.94,99.7 ; v1(75,95) v1(76.1,96.1) 77.25,97.25 U1A.35@78.4,97.25 78.925,97.25 ; v1(77.2,92.8) 77.25,92.75 U1A.23@77.25,91.6 ; 94.775,122.069 95.156,122.45 v1(95.775,122.45) ; U1D.7@112.2,61.475 112.5,61.775 U1D.5@113.178,61.775 ; IC1B.21@16.65,102.925 v1(17.15,102.425)
  Top Layer w0.4: U2B.2@30.275,110 U2B.7@30.275,110.925 U2B.5@30.275,111.85 ; U2B.7@30.565,110.925 30.925,110.565 U2B.3@30.925,110 ; Y1A.4@67.9,97.1 67.9,97.083 68.275,96.708 C6A.1@69.723,96.708 ; C5A.1@69.723,99.94 69.724,99.941 v1(69.725,100.95) v1(69.725,100.95) ; v1(72.35,124.95) 72.725,125.325 U1C.4@74.055,125.325 ; U1C.7@78.145,126.625 79.65,126.625 v1(80.15,127.125)
  Top Layer w0.5: v1(11.679,118.804) C7B.1@12.8,118.804 12.798,118.801 12.798,117.554 C8B.2@12.795,117.552 v1(11.702,117.552) ; v1(12.182,100.493) 14.193,100.493 IC1B.20@15.025,101.325 ; R1B.1@13.725,104.575 v1(13.725,105.625) ; v1(14.8,121.125) 14.825,121.1 C9B.1@15.77,121.1 ; C1B.1@15.125,106.468 v1(15.125,107.55) ; C6B.1@19.055,115.1 20.3,115.1 v1(20.325,115.075) ; v1(20.498,108.248) C11B.1@20.498,107.25 20.511,107.262 21.762,107.262 C10B.1@21.775,107.275 v1(22.825,107.275) ; Y1A.2@66.3,94.9 65.975,94.575 65.975,93.768 65.9,93.693 65.9,93.193 66.193,92.9 C3A.1@66.7,92.9 ; C10A.1@77.832,89.34 C10A.1@77.852,89.32 v1(77.852,88.348) ; 79.033,97.3 C9A.1@79.7,97.3 80.725,97.3 v1(80.75,97.275) ; C11A.1@86.16,92.518 86.177,92.5 87.467,92.5 C12A.1@87.485,92.482 v1(90.035,92.482) ; R4D.1@108.9,59.775 110.757,59.775 111.222,60.24 U1D.3@111.222,61.125 111.222,61.147 111.25,61.175 111.9,61.175 U1D.7@112.2,61.475 ; v1(110.65,107.85) 110.675,107.875 D1G.2@111.75,107.875 ; v1(111.44,110.485) R2G.1@112.625,110.485 ; v1(111.525,105.25) R1G.1@112.625,105.25 ; v1(115.975,103.907) 116.268,104.2 ; v1(117.392,114.267) C1G.2@117.392,113.3 117.392,112.817 116.675,112.1 116.675,111.273 117.297,110.65 117.572,110.65 J1G.B1A12@117.622,110.6
  Top Layer w0.6: C3B.1@22.915,98.848 23.439,98.848 23.79,99.2 C13B.1@23.79,100.1 v1(24.925,100.1) ; C12B.1@23.79,104.908 24.465,104.908 24.817,104.557 24.817,103.698 Y1B.4@24.6,103.481 ; Y1B.4@24.334,103.147 24.362,103.175 25.825,103.175 26.65,104 J1B.SH@26.65,105.4 ; C14B.1@30.665,113.4 30.665,113.42 30.685,113.42 C14B.1@30.69,113.425 ; C15B.1@30.675,108.123 v1(31.698,108.123) ; IC1E.2@45.342,91.3 46.125,91.3 46.675,91.85 R2E.1@47.492,91.85 47.492,91.925 48.075,92.508 v1(48.075,93.15) ; U3C.8@53.78,131.525 v1(53.78,134.33) ; v1(67.175,90.55) 67.185,90.56 C8A.1@69,90.56 ; v1(70.945,113.03) R5A.1@72.45,113.03 ; C2A.1@74.98,76.3 77.4,76.3 78,76.9 R7A.1@78,77.9 ; v1(75.495,88.87) C4A.1@75.495,89.975 ; v1(76.1,123.5) C1C.1@77.335,123.5 ; R4A.1@78.8,110.805 v1(79.995,110.805) ; Q1C.2@81.525,136.45 82.564,136.45 82.915,136.099 C2C.1@82.915,134.55 ; R3E.1@83.85,53.725 84.474,53.725 84.825,54.076 84.825,57.025 C3E.2@84.475,57.375
  Top Layer w0.8: v1(71.875,131.875) SJ1C.1@73.257,131.875 ; v1(97.3,131.125) R14A.1@97.3,132.525 ; v1(107.25,59.775) R4D.1@108.9,59.775
  Top Layer w1: J1B.SH@26.65,110.925 J1B.SH@26.65,111.4 ; U2B.7@30.275,110.925 30.565,110.925 pad.60@32.425,110.925 ; v1(31.725,133.7) SJ4C.1@34.275,133.7 ; v1(31.775,130.05) SJ3C.1@34.275,130.05 ; v1(31.825,126.4) SJ2C.1@34.275,126.4 ; pad.27@51.08,44.405 D1F_U_Relay1.2@54,44.405 54,42.325 55,41.325 U1F_U_Relay1.2@55,38.59 ; v1(64.375,94.9) Y1A.2@66.3,94.9 ; pad.28@74.65,45.5 74.65,46.95 R4F_U_Relay1.1@74.725,47.025 75.31,46.44 Q1F_U_Relay1.2@76.7,46.44 ; SJ5C.2@86.775,139.95 v1(88.75,139.95) ; pad.29@112.425,45.75 R4F_U_Relay2.1@112.425,47 113,46.425 114.435,46.425 Q1F_U_Relay2.2@114.45,46.44 ; C2D.1@113.075,64.475 114.364,64.475 114.95,63.889 C3D.1@114.95,63.325
  Top Layer w1.2: pad.41@85.9,43.725 85.87,43.755 85.87,44.23 D1F_U_Relay2.2@93.15,44.23 93.446,44.23 93.6,44.076 U1F_U_Relay2.2@93.6,38.59
  Top Layer w2: C2B.2@12,113.925 pad.58@12,115.85 ; R7D.1@33.8,85.675 36.2,85.75
  Top Layer w3: U3E.4@9,79.5 9,87 C5E.2@22.1,87
  other v1: 7,41 12,41 17,41 22,41 27,41 32,41 37,41 42,41 77,41 82,41 112,41 122,41 4.5,46 9.5,46 14.5,46 19.5,46 24.5,46 29.5,46 34.5,46 49.5,46 84.5,46 94.5,46 99.5,46 119.5,46 2,51 7,51 12,51 17,51 22,51 27,51 32,51 42,51 102,51 107,51 112,51 117,51 122,51 4.5,56 9.5,56 14.5,56 19.5,56 24.5,56 34.5,56 39.5,56 99.5,56 104.5,56 2,61 7,61 12,61 17,61 22,61 32,61 37,61 42,61 102,61 117,61 122,61 4.5,66 9.5,66 14.5,66 24.5,66 29.5,66 34.5,66 39.5,66 114.5,66 119.5,66 2,71 7,71 12,71 22,71 27,71 32,71 107,71 112,71 122,71 4.5,76 9.5,76 14.5,76 24.5,76 29.5,76 39.5,76 109.5,76 2,81 7,81 12,81 107,81 117,81 122,81 35.875,84.425 35.875,85.238 4.5,86 14.5,86 19.5,86 24.5,86 94.5,86 99.5,86 114.5,86 119.5,86 35.875,86.05 2,91 7,91 37,91 92,91 97,91 102,91 117,91 122,91 72.8,92.8 73.9,92.8 75,92.8 76.1,92.8 73.9,93.9 75,93.9 76.1,93.9 77.2,93.9 72.8,95 73.9,95 76.1,95 77.2,95 4.5,96 14.5,96 119.5,96 72.8,96.1 73.9,96.1 75,96.1 77.2,96.1 73.9,97.2 75,97.2 76.1,97.2 77.2,97.2 2,101 7,101 42,101 122,101 18.175,101.425 114.025,102.071 114.95,102.096 115.975,102.1 114.025,102.975 114.95,103 115.975,103.004 25.65,103.175 16.15,103.4 18.1,103.4 114.025,103.879 114.95,103.904 16.489,105.497 4.5,106 9.5,106 24.5,106 29.5,106 34.5,106 39.5,106 114.5,106 16.489,106.297 16.25,107.06 18.05,107.838 16.25,107.86 16.15,108.654 18.137,108.634 18.235,109.428 16.065,109.449 16.372,110.199 17.218,110.2 17.967,110.225 16.065,110.938 18.235,110.978 2,111 7,111 12,111 22,111 37,111 42,111 47,111 52,111 67,111 16.173,111.731 18.103,111.767 16.31,112.519 17.99,112.559 31.75,113.425 17.99,113.468 16.332,113.805 18,114.2 16.489,114.589 16.489,115.389 4.5,116 9.5,116 19.5,116 54.5,116 119.5,116 18.625,116.025 17.8,116.15 16.489,116.189 17.788,116.827 16.925,117.825 15.9,117.852 15.9,118.852 16.9,118.852 14.925,120.1 17.775,120.225 2,121 7,121 12,121 22,121 27,121 67,121 122,121 17.575,121.05 17.475,121.9 15.65,122.025 17.775,123 15.5,123.025 15.239,124.043 17.225,124.325 14.553,124.455 16.575,125.025 14.06,125.086 13.875,125.85 4.5,126 109.5,126 119.5,126 15.161,126.031 13.85,126.725 15.161,126.831 13.839,127.458 15.161,127.63 13.839,128.258 15.161,128.43 13.839,129.058 15.161,129.23 13.839,129.858 15.161,130.03 13.839,130.658 15.161,130.83 12,131 17,131 22,131 27,131 32,131 37,131 42,131 72,131 107,131 112,131 122,131 13.839,131.458 15.161,131.63 13.839,132.258 15.161,132.43 13.742,133.052 15.057,133.224 4.972,133.325 5.753,133.502 4.199,133.528 13.336,133.742 14.775,133.972 6.359,134.024 3.608,134.067 12.682,134.202 7.094,134.339 7.894,134.339 8.694,134.339 9.494,134.339 10.294,134.339 11.094,134.339 11.894,134.339 14.308,134.622 3.337,134.82 13.696,135.137 12.978,135.489 3.444,135.613 12.193,135.642 6.593,135.661 7.393,135.661 8.193,135.661 8.993,135.661 9.793,135.661 10.593,135.661 11.393,135.661 14.5,136 19.5,136 24.5,136 29.5,136 34.5,136 39.5,136 44.5,136 54.5,136 69.5,136 74.5,136 84.5,136 89.5,136 3.905,136.267 6.083,136.277 4.616,136.633 5.369,136.638 2,141 7,141 12,141 17,141 22,141 27,141 67,141 72,141 77,141 82,141 107,141 112,141 117,141 122,141 9.5,146 14.5,146 19.5,146 84.5,146 89.5,146 94.5,146 99.5,146 104.5,146 109.5,146 114.5,146
GNDS: C1G.1 J1G.SH R3G.1 | length 23.7
  Top Layer w0.5: C1G.1@118.272,113.3 119.995,113.3 120.287,113.007 120.287,111.72 ; R3G.1@118.55,101.5 120.082,101.5 120.375,101.793 120.375,103.08
  Top Layer w1: J1G.SH@118.197,103.08 120.375,103.08 J1G.SH@122.377,103.08 J1G.SH@122.377,111.72 120.287,111.72 J1G.SH@118.197,111.72
HOT: K1F_U_Relay1.4 K1F_U_Relay2.4 U1F_U_Relay1.5 U1F_U_Relay2.5 | length 104.8
  Top Layer w5: U1F_U_Relay1.5@60,17.191 60,29.061 62.929,31.99 74.5,31.99 ; 79.304,23.244 79.361,23.301 79.361,27.128 74.5,31.99 ; U1F_U_Relay2.5@98.6,17.191 98.6,28.8 101.79,31.99 ; 117.626,23.376 118,23.75 118,27.8 113.2,32.6 102.4,32.6 101.79,31.99 ; 74.5,31.99 101.79,31.99
  other v2: 58,15.191 59.333,15.191 60.667,15.191 62,15.191 96.6,15.191 97.933,15.191 99.267,15.191 100.6,15.191 56.824,15.573 63.176,15.573 95.424,15.573 101.776,15.573 56.098,16.572 63.902,16.572 94.698,16.572 102.502,16.572 56.098,17.809 63.902,17.809 94.698,17.809 102.502,17.809 56.824,18.808 63.176,18.808 95.424,18.808 101.776,18.808 58,19.191 59.333,19.191 60.667,19.191 62,19.191 96.6,19.191 97.933,19.191 99.267,19.191 100.6,19.191
I_SENSE_A: U1A.27 U1F_U_Relay1.3 | length 92
  Top Layer w0.3: U1A.27@78.4,93.25 80.75,93.25 82.075,91.925 v1(82.075,91.2)
  Mid Layer 2(GND) w0.8: U1F_U_Relay1.3@53.09,38.59 43.15,48.53 43.15,75.2 54.275,86.325 78.575,86.325 82.075,89.825 v1(82.075,91.2)
I_SENSE_B: U1A.25 U1F_U_Relay2.3 | length 65.9
  Top Layer w0.3: U1A.25@78.4,92.25 79.325,92.25
  Top Layer w0.4: 79.325,92.25 79.775,91.8 79.775,89.475 80.775,88.475 v1(89.475,88.475)
  Mid Layer 2(GND) w0.8: v1(89.475,88.475) 89.775,88.475 90.325,87.925 90.325,50.4 89.2,49.275 89.2,44.5 91.69,42.01 U1F_U_Relay2.3@91.69,38.59
LC: C5B.1 L1B.2 | length 1.5
  Top Layer w0.26: L1B.2@17.15,111.05 C5B.1@17.15,112.512
LCD_CONTRAST: R5C.2 U1C.6 | length 71.6
  Top Layer w0.4: U1C.6@78.145,125.975 80.625,125.975 v1(81.85,124.75)
  Mid Layer 2(GND) w0.8: v1(81.85,124.75) 82.65,124.75 84.7,122.7 84.7,112 107.125,89.575 107.125,84.525 112.65,79 R5C.2@121.04,79
LCD_K: R6C.1 U3C.7 | length 33.5
  Top Layer w0.5: U3C.7@55.1,131.525 55.1,128.575 56.725,126.95 64.475,126.95 67.625,130.1 67.625,132.5 69.9,134.775 76.85,134.775 78.425,133.2 R6C.1@79.675,133.2
LED_STATUS: D1A.1 U1A.38 | length 8.9
  Top Layer w0.3: v1(77.075,99.471) 77.113,99.433 77.113,99.087 77.25,98.95 U1A.38@77.25,98.4
  Top Layer w0.5: v1(78.8,105.375) D1A.1@78.8,106.555
  Bottom Layer w0.4: v1(77.075,99.471) 77.075,100.6 78.8,102.325 v1(78.8,105.375)
LINE: J1E.3 MP1E.1 R4E.1 U1F_U_Relay1.4 U1F_U_Relay2.4 | length 133.2
  Bottom Layer w5: 28.973,8.935 28.973,26.221 cw(c31.513,26.221) 29.717,28.017 32.956,31.256 cw(c34.752,29.46) 34.752,32 54.3,32 ; 29.569,5.561 MP1E.1@32.065,3.065 MP1E.1@37.935,3.065 MP1E.1@37.935,4.003 ; MP1E.1@32.065,8.935 MP1E.1@37.935,8.935 MP1E.1@37.935,4.003 ; 43.628,4 38.052,4 cw(c38.052,6.54) MP1E.1@37.935,4.003 ; U1F_U_Relay1.4@49.901,17.191 U1F_U_Relay1.4@50,17.191 ; U1F_U_Relay1.4@50,19.191 50,27.7 54.3,32 ; U1F_U_Relay2.4@88.6,17.191 88.6,27.2 83.8,32 54.3,32
  other v2: 48,15.191 49.333,15.191 50.667,15.191 52,15.191 86.6,15.191 87.933,15.191 89.267,15.191 90.6,15.191 46.824,15.573 53.176,15.573 85.424,15.573 91.776,15.573 46.098,16.572 53.902,16.572 84.698,16.572 92.502,16.572 46.098,17.809 53.902,17.809 84.698,17.809 92.502,17.809 46.824,18.808 53.176,18.808 85.424,18.808 91.776,18.808 48,19.191 49.333,19.191 50.667,19.191 52,19.191 86.6,19.191 87.933,19.191 89.267,19.191 90.6,19.191
"MCU SWCLK": J2G.4 U1A.37 | length 28.5
  Top Layer w0.25: 89.45,118.725 90.401,118.725
  Top Layer w0.3: U1A.37@77.75,98.4 77.75,100.55 88.475,111.275 88.475,118.3 88.9,118.725 89.45,118.725 ; 90.401,118.725 91.085,118.725 J2G.4@92.03,119.67
"MCU SWDIO": J2G.2 U1A.34 | length 29.5
  Top Layer w0.25: 91.727,116.723 91.727,117.199
  Top Layer w0.3: U1A.34@78.4,96.75 78.85,96.75 79.075,96.525 80.95,96.525 81.425,97 81.425,103.625 88.9,111.1 88.9,114 90.07,115.17 90.812,115.17 91.727,116.085 91.727,116.723 ; 91.727,117.199 91.727,117.518 91.729,117.52 91.729,117.654 91.922,117.847 91.922,118.292 J2G.2@92.03,118.4
"MCU SWO": J2G.6 U1A.39 | length 35.8
  Top Layer w0.25: U1A.39@76.75,98.4 76.75,98.85 76.425,99.175 76.425,99.775 88.075,111.425 88.075,121.775 89.47,123.17 92.28,123.17 92.65,122.8 92.65,121.56 92.17,121.08 92.03,121.08 J2G.6@92.03,120.94
MCU_INT: U1A.45 U3C.13 | length 34.3
  Top Layer w0.3: 71.95,101.625 72.9,100.675 73.475,100.675 73.75,100.4 U1A.45@73.75,98.4
  Top Layer w0.4: U3C.13@58.91,122.725 58.91,108.74 64.625,103.025 70.55,103.025 71.95,101.625
MCU_OSC_IN: C1A.2 U1A.5 Y1A.1 | length 8.6
  Top Layer w0.2: Y1A.1@66.3,97.1 66.3,96.3 66.575,96.025 68.775,96.025 68.925,95.875 70.525,95.875
  Top Layer w0.3: 70.525,95.875 70.65,95.75 U1A.5@71.6,95.75
  Top Layer w0.5: Y1A.1@66.3,97.1 66.3,98.82 66.66,99.18 C1A.2@66.66,99.2
MCU_OSC_OUT: R6A.2 U1A.6 | length 2
  Top Layer w0.2: R6A.2@69.715,95 69.79,95.075 70.3,95.075 70.475,95.25 U1A.6@71.6,95.25
MCU_RESET: C2A.2 J2G.3 R16A.2 S2A.1 U1A.7 | length 83.1
  Top Layer w0.3: v1(70.65,94.475) 70.925,94.75 U1A.7@71.6,94.75
  Top Layer w0.7: S2A.1@72.875,78.025 72.875,76.71 73.285,76.3 C2A.2@74.1,76.3
  Top Layer w0.8: R16A.2@71.075,78.9 S2A.1@72.875,78.9 ; v1(72.201,81.101) 72.875,80.426 S2A.1@72.875,78.9 ; S2A.1@72.875,78.025 S2A.1@72.875,78.9
  Mid Layer 1(GND) w0.3: v1(70.65,94.475) 70.65,92.4 72.201,90.849 v1(72.201,81.101) 73.175,82.075 79.925,82.075 84.375,86.525 84.375,118.075 89.575,123.275 92.375,123.275 92.65,123 92.65,120.32 v1(93.3,119.67)
MCU_SCL: R1A.1 U1A.42 U1C.3 U3C.14 | length 58.4
  Top Layer w0.3: U1A.42@75.25,98.4 75.25,99.025 75.875,99.65 75.875,99.95 76.2,100.275 R1A.1@76.2,101.1
  Top Layer w0.4: 72.4,125.975 U1C.3@74.055,125.975 75.341,125.975 75.575,125.741 75.575,124.65 74.975,124.05 74.975,117.825 76.325,116.475 80.9,116.475 81.7,115.675 81.7,105.925 76.875,101.1 R1A.1@76.2,101.1
  Top Layer w0.5: U3C.14@60.18,122.725 60.18,120.82 61.625,119.375 64.45,119.375 66.125,121.05 66.125,123.775 68.325,125.975 72.4,125.975
MCU_SDA: R2A.1 U1A.43 U1C.2 U3C.15 | length 56.2
  Top Layer w0.3: U1A.43@74.75,98.4 74.75,99.665 75.1,100.015 v1(75.1,100.05)
  Top Layer w0.4: 72.475,126.625 U1C.2@74.055,126.625
  Top Layer w0.5: v1(60.925,125.275) 61.45,124.75 U3C.15@61.45,122.725 61.45,120.85 62.2,120.1 64.15,120.1 65.425,121.375 65.425,124.05 68,126.625 72.475,126.625 ; R2A.1@74.9,101.1 74.9,100.25 v1(75.1,100.05)
  Bottom Layer w0.5: v1(60.925,125.275) 61.45,124.75 61.45,119.55 68.25,112.75 68.25,106.275 74.475,100.05 v1(75.1,100.05)
MCU_VCAP: C4A.2 U1A.22 | length 1.8
  Top Layer w0.3: 76.75,90.95 U1A.22@76.75,91.6
  Top Layer w0.5: C4A.2@76.375,89.975 76.375,89.995 76.73,90.35 76.75,90.35 76.75,90.95